# Altium PCB LB-word-PCB.PcbDoc (part 4 of 4)
Units mm, origin at the board's own origin, x right, y up, seen from the top; angles counter-clockwise.
Board outline 400 x 70 mm, 4 copper layers (Top Layer, Signal Layer 1, Signal Layer 2, Bottom Layer), stack 0.778 mm thick; 411 components, 279 nets, 1593 pads, 857 vias.
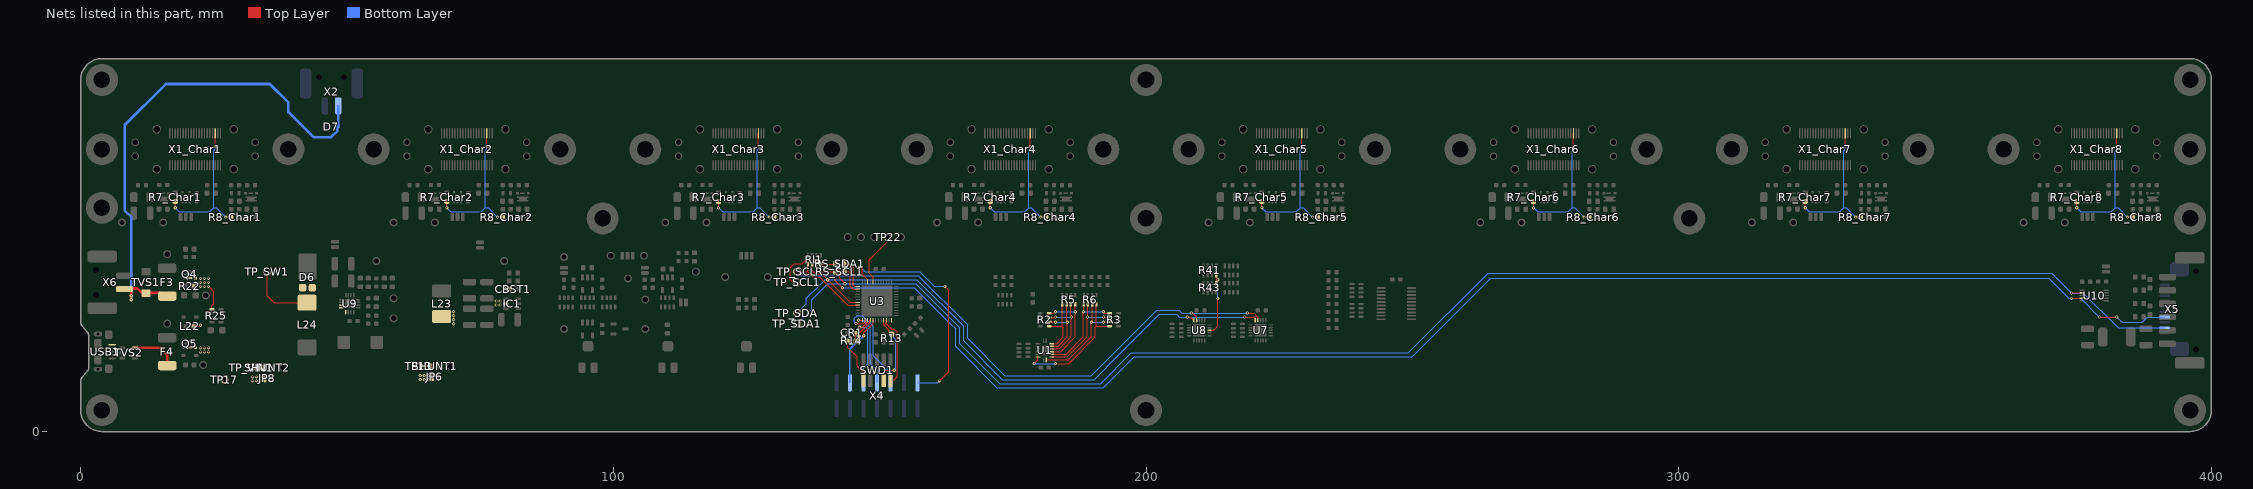
[diagram p6: the nets of this part, all layers, seen from the top]

## Via types
v1: diameter 0.6, hole 0.3, Top Layer to Bottom Layer, 849 vias
v2: diameter 1.6, hole 1.1, Top Layer to Bottom Layer, 8 vias

## Nets (pads, with @x,y where several pads share a name; then routed paths per layer and width w, separated by ;. In a path a pad name is that pad's centre, name@x,y a point inside that pad or via, vN(x,y) a via of type N, cw(c..) or ccw(c..) an arc to the next point about the centre after c; other vN are vias at no path point) (continued)
NetR41_4: R41.4 R43.5 U8.13 | length 12.6
  Top Layer w0.15: U8.13@211.9,19 212.75,19 213.5,19.75 v1(213.5,25) ; R43.5@213.2,27.75 R43.5@213.2,27.85 213.2,28.2 v1(213.5,28.5) 213.2,28.8 R41.4@213.2,29.4
  Bottom Layer w0.15: v1(213.5,25) v1(213.5,28.5)
NetRS_SCL1_1: RS_SCL1.1 U3.26 | length 5.4
  Top Layer w0.15: RS_SCL1.1@143.3,30 144.25,30 144.5,29.75 144.5,27.25 145,26.75 U3.26@145.925,26.75
NetRS_SDA1_1: RS_SDA1.1 U3.25 | length 6.3
  Top Layer w0.15: RS_SDA1.1@143.3,31.5 144.25,31.5 145,30.75 145,27.5 145.25,27.25 U3.25@145.925,27.25
PA13: U3.22 X4.7 | length 44.2
  Top Layer w0.15: v1(146.25,31) 146.3,31 146.75,30.55 146.75,29.5 147.75,28.5 U3.22@147.75,28.075 ; v1(161.25,9.5) 163,11.25 163,26.5 v1(162.25,27.25)
  Bottom Layer w0.15: v1(146.25,31) 147.25,30 157.5,30 160.25,27.25 v1(162.25,27.25) ; X4.7@157.12,9.15 160.9,9.15 v1(161.25,9.5)
PA27: U3.39 X4.3 | length 14.3
  Top Layer w0.15: v1(146.25,19.6) 146.71,19.6 147.75,20.64 U3.39@147.75,20.925
  Bottom Layer w0.15: v1(146.25,19.6) 147.4,19.6 147.75,19.25 147.75,12.75 147,12 147,9.19 X4.3@146.96,9.15
PA28: U3.41 X4.2 | length 13.6
  Top Layer w0.15: v1(147,18) 147,18.501 148.75,20.251 U3.41@148.75,20.925
  Bottom Layer w0.25: X4.2@144.42,9.15 144.42,15.42 v1(147,18)
PB03: U3.48
PB22: U3.37 X4.4 | length 14.4
  Top Layer w0.15: v1(146.05,20.9) 146.725,20.9 U3.37@146.75,20.925
  Bottom Layer w0.15: v1(146.05,20.9) 146.85,20.9 148.25,19.5 148.25,12.75 149.5,11.5 X4.4@149.5,9.15
PB23: U3.38 X4.5 | length 19.9
  Top Layer w0.15: v1(145.55,20.275) 146.885,20.275 147.25,20.64 U3.38@147.25,20.925
  Bottom Layer w0.15: v1(145.55,20.275) 145.25,20.575 145.25,21.25 145.75,21.75 146.75,21.75 148.75,19.75 148.75,14.25 152.04,10.96 152.04,9.45 151.916,9.45 151.74,9.274 X4.5@151.74,9.15
Power_Enable_Char1: R7_Char1.1 R8_Char1.1 X1_Char1.38 | length 26.9
  Top Layer w0.15: v1(17.75,42) R7_Char1.1@17.75,43 ; v1(25.25,53.5) X1_Char1.38@25.25,56 ; v1(27.25,40.25) R8_Char1.1@28.2,40.25
  Bottom Layer w0.15: v1(17.75,42) 18.5,41.25 24.25,41.25 25,42 ; v1(25.25,53.5) 25.25,53 25,52.75 25,42 ; v1(27.25,40.25) 25.5,42 25,42
Power_Enable_Char2: R7_Char2.1 R8_Char2.1 X1_Char2.38 | length 26.9
  Top Layer w0.15: v1(68.75,42) R7_Char2.1@68.75,43 ; v1(76.25,53.5) X1_Char2.38@76.25,56 ; v1(78.25,40.25) R8_Char2.1@79.2,40.25
  Bottom Layer w0.15: v1(68.75,42) 69.5,41.25 75.25,41.25 76,42 ; v1(76.25,53.5) 76.25,53 76,52.75 76,42 ; v1(78.25,40.25) 76.5,42 76,42
Power_Enable_Char3: R7_Char3.1 R8_Char3.1 X1_Char3.38 | length 26.9
  Top Layer w0.15: v1(119.75,42) R7_Char3.1@119.75,43 ; v1(127.25,53.5) X1_Char3.38@127.25,56 ; v1(129.25,40.25) R8_Char3.1@130.2,40.25
  Bottom Layer w0.15: v1(119.75,42) 120.5,41.25 126.25,41.25 127,42 ; v1(127.25,53.5) 127.25,53 127,52.75 127,42 ; v1(129.25,40.25) 127.5,42 127,42
Power_Enable_Char4: R7_Char4.1 R8_Char4.1 X1_Char4.38 | length 26.9
  Top Layer w0.15: v1(170.75,42) R7_Char4.1@170.75,43 ; v1(178.25,53.5) X1_Char4.38@178.25,56 ; v1(180.25,40.25) R8_Char4.1@181.2,40.25
  Bottom Layer w0.15: v1(170.75,42) 171.5,41.25 177.25,41.25 178,42 ; v1(178.25,53.5) 178.25,53 178,52.75 178,42 ; v1(180.25,40.25) 178.5,42 178,42
Power_Enable_Char5: R7_Char5.1 R8_Char5.1 X1_Char5.38 | length 26.9
  Top Layer w0.15: v1(221.75,42) R7_Char5.1@221.75,43 ; v1(229.25,53.5) X1_Char5.38@229.25,56 ; v1(231.25,40.25) R8_Char5.1@232.2,40.25
  Bottom Layer w0.15: v1(221.75,42) 222.5,41.25 228.25,41.25 229,42 ; v1(229.25,53.5) 229.25,53 229,52.75 229,42 ; v1(231.25,40.25) 229.5,42 229,42
Power_Enable_Char6: R7_Char6.1 R8_Char6.1 X1_Char6.38 | length 26.9
  Top Layer w0.15: v1(272.75,42) R7_Char6.1@272.75,43 ; v1(280.25,53.5) X1_Char6.38@280.25,56 ; v1(282.25,40.25) R8_Char6.1@283.2,40.25
  Bottom Layer w0.15: v1(272.75,42) 273.5,41.25 279.25,41.25 280,42 ; v1(280.25,53.5) 280.25,53 280,52.75 280,42 ; v1(282.25,40.25) 280.5,42 280,42
Power_Enable_Char7: R7_Char7.1 R8_Char7.1 X1_Char7.38 | length 26.9
  Top Layer w0.15: v1(323.75,42) R7_Char7.1@323.75,43 ; v1(331.25,53.5) X1_Char7.38@331.25,56 ; v1(333.25,40.25) R8_Char7.1@334.2,40.25
  Bottom Layer w0.15: v1(323.75,42) 324.5,41.25 330.25,41.25 331,42 ; v1(331.25,53.5) 331.25,53 331,52.75 331,42 ; v1(333.25,40.25) 331.5,42 331,42
Power_Enable_Char8: R7_Char8.1 R8_Char8.1 X1_Char8.38 | length 26.9
  Top Layer w0.15: v1(374.75,42) R7_Char8.1@374.75,43 ; v1(382.25,53.5) X1_Char8.38@382.25,56 ; v1(384.25,40.25) R8_Char8.1@385.2,40.25
  Bottom Layer w0.15: v1(374.75,42) 375.5,41.25 381.25,41.25 382,42 ; v1(382.25,53.5) 382.25,53 382,52.75 382,42 ; v1(384.25,40.25) 382.5,42 382,42
RESET: R14.1 SWD1.10 | length 8.7
  Top Layer w0.15: R14.1@144,17 144,15.75 145.75,14 145.75,12.25 146.96,11.04 SWD1.10@146.96,9.55
SCK: TP22.1 U3.20 | length 10.4
  Top Layer w0.15: U3.20@148.75,28.075 148.75,29 148,29.75 148,32.25 151.5,35.75 151.5,36 TP22.1@151,36.5
SCL: RI1.1 TP_SCL.1 U3.32 U7.19 U8.19 | length 119.9
  Top Layer w0.15: TP_SCL.1@134.5,30 136.5,30 ; RI1.1@136.5,31.5 136.5,30 ; U3.32@145.925,23.75 144,23.75 138.75,29 137.5,29 136.5,30 ; v1(208.5,22.25) 208.75,22.25 209.5,21.5 U8.19@209.5,20.9 ; v1(219,22.25) 220.25,22.25 220.375,22.125 220.624,21.875 ; 220.625,21.875 221,21.5 U7.19@221,20.9 U7.19@221,20.65
  Bottom Layer w0.15: TP_SCL.1@134.5,30 135.25,29.25 157.25,29.25 166.5,20 166.5,17.5 173.5,10.5 189.75,10.5 202,22.75 206.25,22.75 206.75,22.25 v1(208.5,22.25) v1(219,22.25)
SCL1: RI1.3 RS_SCL1.2 TP_SCL1.1 U10.4 X5.7 | length 290.4
  Top Layer w0.15: TP_SCL1.1@134.5,28 133.75,28 133.25,28.5 133.25,30.75 134,31.5 135.5,31.5 136.25,32.25 137.75,32.25 138.15,31.85 RI1.3@138.15,31.4 138.15,30.35 138.5,30 RS_SCL1.2@141.7,30 141.7,28.3 v1(143,27) ; v1(373.75,25) 375.723,25 U10.4@375.75,25.027 ; v1(379,21.5) v1(382.25,21.5)
  Bottom Layer w0.15: v1(143,27) 156.5,27 163.25,20.25 164.25,19.25 164.25,16 172,8.25 192,8.25 197.75,14 250,14 264.75,28.75 369.5,28.75 373.25,25 v1(373.75,25) 375.5,25 v1(379,21.5) ; v1(382.25,21.5) 383.25,20.5 387,20.5 388,21.5 X5.7@391.25,21.5
SDA: RI1.2 TP_SDA.1 U3.31 U7.20 U8.20 | length 118.3
  Top Layer w0.15: RI1.2@137.35,31.4 137.35,30.15 138,29.5 139.25,29.5 144.5,24.25 U3.31@145.925,24.25 ; v1(207.75,21.5) 208.4,21.5 U8.20@209,20.9 ; v1(218.5,21.5) 220.25,21.5 220.5,21.25 U7.20@220.5,20.9 U7.20@220.5,20.65
  Bottom Layer w0.15: TP_SDA.1@134.5,22.25 136.25,24 136.25,25 138.75,27.5 139.75,28.5 v1(140.25,28.5) 157,28.5 165.75,19.75 165.75,17 173,9.75 190.25,9.75 195,14.5 202.5,22 205.75,22 206.25,21.5 v1(207.75,21.5) v1(218.5,21.5)
SDA1: RI1.4 RS_SDA1.2 TP_SDA1.1 U10.2 X5.9 | length 292.7
  Top Layer w0.15: RI1.4@138.95,31.4 141.6,31.4 RS_SDA1.2@141.7,31.5 142,31.5 142.5,31 142.5,28.75 v1(143.5,27.75) ; v1(373.75,26) 373.777,26.027 U10.2@375.75,26.027
  Bottom Layer w0.15: TP_SDA1.1@134.5,20.25 137.25,23 137.25,24.75 140.25,27.75 v1(143.5,27.75) 156.75,27.75 165,19.5 165,16.5 172.5,9 191.5,9 197.25,14.75 249.25,14.75 264.25,29.75 370,29.75 v1(373.75,26) 376,26 382.5,19.5 X5.9@391.25,19.5
SW: D6.A L24.2 TP_SW1.1 U9.1 U9.15 U9.16 | length 12.5
  Top Layer w0.2: TP_SW1.1@35,30 35,25.5 36.3,24.2 L24.2@42.5,24.2
SW1: CBST1.2 IC1.2 L23.1
  other v1: 70,20.25 70,21 70,21.75 70,22.5 78,23.75 78.75,23.75 78,24.5 78.75,24.5 79.75,26.5 79.75,27.25
SWCLK: R13.1 SWD1.4 U3.45 | length 13.9
  Top Layer w0.15: U3.45@150.75,20.925 150.75,20 151.75,19 151.75,18.75 R13.1@152.25,18.25 ; SWD1.4@150.77,9.55 150.77,11.02 151.25,11.5 v1(152.75,11.5)
  Bottom Layer w0.15: v1(152.25,18) 153,17.25 153,11.75 v1(152.75,11.5)
SWDIO: SWD1.2 U3.46 | length 13
  Top Layer w0.15: U3.46@151.25,20.925 151.25,20.25 152.275,19.225 152.775,19.225 153.275,18.725 153.275,10.275 152.75,9.75 SWD1.2@152.25,9.75
TARGET_RESET: CR1.1 R14.2 U3.40 | length 5.5
  Top Layer w0.15: R14.2@145.5,17 CR1.1@145.5,18.5 146.25,18.5 148.25,20.5 U3.40@148.25,20.925
V_Raw: D7.K F3.1 TVS1.1 X2.2 X6.2 | length 97.3
  Top Layer w0.5: X6.2@7.75,26.85 X6.2@9.5,26.85 ; v1(9.5,24.75) v1(9.5,25.5) X6.2@9.5,26.85 ; F3.1@15.5,25.435 14.9,26.035 11.5,26.035 10.685,26.85 X6.2@9.5,26.85
  Bottom Layer w0.5: v1(9.5,24.75) v1(9.5,25.5) 9.5,40.25 8.25,41.5 8.25,57.5 16,65.25 35.5,65.25 39,61.75 39,60 43.75,55.25 47,55.25 48.2,56.45 D7.K@48.2,57.25 48.35,57.4 X2.2@48.35,61.15
VIN: JP6.1 JP8.1 L22.2 Q4.S Q5.S R22.2 R25.1 SHUNT1.1 SHUNT2.1 TP13.1 TP17.1 TP_VIN1.1 | length 10.6
  Top Layer w0.2: L22.2@21.25,19.75 22.3,19.75 v1(22.5,19.95) ; v1(24,27.25) 25,26.25 25,24 24.65,23.65 R25.1@24.65,22.95 ; TP_VIN1.1@32,12 SHUNT2.1@34.2,12 ; TP13.1@63.5,12.25 SHUNT1.1@65.7,12.25
  other v1: 32.25,9.5 33,9.5 33.75,9.5 63.75,9.75 64.5,9.75 65.25,9.75 32.25,10.25 33,10.25 33.75,10.25 63.75,10.5 64.5,10.5 65.25,10.5 22.5,14.95 23.25,14.95 24,14.95 22.5,15.7 23.25,15.7 24,15.7 22.5,27.25 23.25,27.25 22.5,28 23.25,28 24,28 22.5,28.75 23.25,28.75 24,28.75
VUSB: F4.1 TVS2.5 USB1.1 | length 8.6
  Top Layer w0.5: TVS2.5@10.2,15.7 15,15.7 16.25,14.45 F4.1@16.25,12.385
Y0: R2.1 R5.1 U1.15 | length 11.4
  Top Layer w0.15: R2.1@181.85,19.8 184.3,19.8 ; U1.15@182.3,16.5 183.25,16.5 184.5,17.75 184.5,19.6 184.3,19.8 ; R5.1@184.3,23.9 184.3,19.8
Y1: R2.2 R5.2 U1.14 | length 13.3
  Top Layer w0.15: R2.2@181.85,20.6 182.9,20.6 v1(183,20.5) ; U1.14@182.3,16 183.5,16 185.25,17.75 v1(185.25,20.5) 185.1,20.65 R5.2@185.1,23.9
  Bottom Layer w0.15: v1(183,20.5) v1(185.25,20.5)
Y2: R2.3 R5.3 U1.13 | length 15
  Top Layer w0.15: R2.3@181.85,21.4 182.9,21.4 v1(183,21.5) ; U1.13@182.3,15.5 183.75,15.5 186,17.75 v1(186,21.5) 186,21.75 185.9,21.85 R5.3@185.9,23.9
  Bottom Layer w0.15: v1(183,21.5) v1(186,21.5)
Y3: R2.4 R5.4 U1.12 | length 16.8
  Top Layer w0.15: R2.4@181.85,22.2 182.7,22.2 v1(183,22.5) ; U1.12@182.3,15 184,15 186.75,17.75 v1(186.75,22.5) ; v1@186.7,22.5 R5.4@186.7,23.9
  Bottom Layer w0.15: v1(183,22.5) v1(186.75,22.5)
Y4: R3.1 R6.1 U1.11 | length 18.5
  Top Layer w0.15: U1.11@182.3,14.5 185,14.5 188.25,17.75 v1(188.25,22.5) 188.3,22.55 R6.1@188.3,23.9 ; v1(192,22.5) 192.3,22.2 R3.1@193.15,22.2
  Bottom Layer w0.15: v1(188.25,22.5) v1(192,22.5)
Y5: R3.2 R6.2 U1.10 | length 18.6
  Top Layer w0.15: U1.10@182.3,14 185.25,14 189,17.75 v1(189,21.5) 189.1,21.6 R6.2@189.1,23.9 ; v1(192,21.5) 192.1,21.4 R3.2@193.15,21.4
  Bottom Layer w0.15: v1(189,21.5) v1(192,21.5)
Y6: R3.3 R6.3 U1.9 | length 19.9
  Top Layer w0.15: U1.9@181.25,13.45 185.45,13.45 189.75,17.75 v1(189.75,20.5) 189.9,20.65 R6.3@189.9,23.9 ; v1(192,20.5) 192.1,20.6 R3.3@193.15,20.6
  Bottom Layer w0.15: v1(189.75,20.5) v1(192,20.5)
Y7: R3.4 R6.4 U1.7 | length 23.8
  Top Layer w0.15: v1(179,12.75) 179.7,13.45 U1.7@179.7,14 ; v1(183,12.75) 185.5,12.75 190.5,17.75 190.5,19.6 190.7,19.8 ; R6.4@190.7,23.9 190.7,19.8 ; R3.4@193.15,19.8 190.7,19.8
  Bottom Layer w0.15: v1(179,12.75) v1(183,12.75)
pads on no net: Hole3.1 Hole4.1 Hole5.1 Hole6.1 Hole7.1 Hole8.1 Hole9.1 Hole10.1 Hole11.1 Hole12.1 Hole13.1 IC1.5 R15.4 R15.5 R18.4 R18.5 R21.4 R21.5 SWD1.6 SWD1.7 SWD1.8 TVS2.4 U3.23 U3.24 U3.27 U3.28 U3.29 U7.7 U8.7 U10.3 USB1.4 X1_Char1.21 X1_Char1.23 X1_Char1.25 X1_Char1.26 X1_Char1.27 X1_Char1.28 X1_Char1.29 X1_Char1.30 X1_Char1.31 X1_Char1.32 X1_Char1.33 X1_Char1.34 X1_Char1.35 X1_Char1.36 X1_Char1.37 X1_Char1.39 X1_Char2.21 X1_Char2.23 X1_Char2.25 X1_Char2.26 X1_Char2.27 X1_Char2.28 X1_Char2.29 X1_Char2.30 X1_Char2.31 X1_Char2.32 X1_Char2.33 X1_Char2.34 X1_Char2.35 X1_Char2.36 X1_Char2.37 X1_Char2.39 X1_Char3.21 X1_Char3.23 X1_Char3.25 X1_Char3.26 X1_Char3.27 X1_Char3.28 X1_Char3.29 X1_Char3.30 X1_Char3.31 X1_Char3.32 X1_Char3.33 X1_Char3.34 X1_Char3.35 X1_Char3.36 X1_Char3.37 X1_Char3.39 X1_Char4.21 X1_Char4.23 X1_Char4.25 X1_Char4.26 X1_Char4.27 X1_Char4.28 X1_Char4.29 X1_Char4.30 X1_Char4.31 X1_Char4.32 X1_Char4.33 X1_Char4.34 X1_Char4.35 X1_Char4.36 X1_Char4.37 X1_Char4.39 X1_Char5.21 X1_Char5.23 X1_Char5.25 X1_Char5.26 X1_Char5.27 X1_Char5.28 X1_Char5.29 X1_Char5.30 X1_Char5.31 X1_Char5.32 X1_Char5.33 X1_Char5.34 X1_Char5.35 X1_Char5.36 X1_Char5.37 X1_Char5.39 X1_Char6.21 X1_Char6.23 X1_Char6.25 X1_Char6.26 X1_Char6.27 X1_Char6.28 X1_Char6.29 X1_Char6.30 X1_Char6.31 X1_Char6.32 X1_Char6.33 X1_Char6.34 X1_Char6.35 X1_Char6.36 X1_Char6.37 X1_Char6.39 X1_Char7.21 X1_Char7.23 X1_Char7.25 X1_Char7.26 X1_Char7.27 X1_Char7.28 X1_Char7.29 X1_Char7.30 X1_Char7.31 X1_Char7.32 X1_Char7.33 X1_Char7.34 X1_Char7.35 X1_Char7.36 X1_Char7.37 X1_Char7.39 X1_Char8.21 X1_Char8.23 X1_Char8.25 X1_Char8.26 X1_Char8.27 X1_Char8.28 X1_Char8.29 X1_Char8.30 X1_Char8.31 X1_Char8.32 X1_Char8.33 X1_Char8.34 X1_Char8.35 X1_Char8.36 X1_Char8.37 X1_Char8.39 X2.163 X6.163 X7.163

## Polygon pours and split planes (outlines as drawn)
GND on Signal Layer 1 "Signal Layer 1-GND" (solid, pour order 185): 0,-1 0,70 400,70 400,-1
no net on Signal Layer 2 "Signal Layer 2-No Net" (solid, pour order 375): 28.75,30
+3V3 on Signal Layer 2 "Signal Layer 2-+3V3 2" (solid, pour order 301): 370,31.25 370,8.75 397.5,8.75 397.5,31.25
VIN on Signal Layer 2 "Signal Layer 2-VIN 1" (solid, pour order 299): 26.5,0 60,0 66.25,6.25 66.25,10.75 26.5,10.75
Comp_VRef on Signal Layer 2 "Signal Layer 2-Comp_VRef" (solid, pour order 279): 0.293,37.5 400,37.5 400,38.5 0.293,38.5
VIN on Signal Layer 2 "Signal Layer 2-VIN" (solid, pour order 269): 21.292,30.25 21.292,0 27.8,0 27.8,30.25
+3V3 on Signal Layer 2 "Signal Layer 2-+3V3 1" (solid, pour order 251): 118.75,32 118.75,0 400,0 400,32
SW1 on Signal Layer 2 "Signal Layer 2-SW1" (solid, pour order 228): 79.25,27.25 79.5,27.5 80,27.5 80.5,27 80.5,23.5 76.75,19.75 69.5,19.75 69.5,23.25 76.75,23.25 78.25,24.75 79.25,24.75
+3VOSC on Signal Layer 2 "Signal Layer 2-+3VOSC" (solid, pour order 212): 88,30.5 88,0 116.25,0 116.25,30.5
+3V3 on Signal Layer 2 "Signal Layer 2-+3V3" (solid, pour order 214): -3.25,37 -3.25,31.25 400,31.25 400,37
+15V on Signal Layer 2 "Signal Layer 2-+15V" (solid, pour order 186): 0,70 400,70 400,39 0,39
no net on Top Layer "Top Layer-No Net 12" (solid, pour order 371): 258.75,30 258.75,1.25 368,1.25 368,23 361,30
GND on Top Layer "Top Layer-No Net 11" (solid, pour order 369): 392.5,34 400,34 400,11.75 392.5,11.75 392.5,15.25 397,15.25 397,30.25 392.5,30.25
DSCL_N on Top Layer "Top Layer-DSCL_N" (solid, pour order 361): 389.75,22.75 388.5,21.5 387.25,22.75
DSCL_P on Top Layer "Top Layer-DSCL_P" (solid, pour order 359): 387.25,22.75 388.5,24 389.75,22.75
DSDA_N on Top Layer "Top Layer-DSDA_N" (solid, pour order 357): 387.25,27.75 388.5,29 389.75,27.75
DSDA_P on Top Layer "Top Layer-DSDA_P" (solid, pour order 355): 389.75,27.75 388.5,26.5 387.25,27.75
no net on Top Layer "Top Layer-No Net 10" (solid, pour order 353): 388.5,28.55
+15V on Top Layer "Top Layer-+15V 1" (solid, pour order 351): 358.75,41.25 358.75,34.5 374.25,19 375.5,19 375.5,21.25 361.25,35.5 361.25,41.25
+15V on Top Layer "Top Layer-+15V 2" (solid, pour order 349): 380.5,19.25 380.5,16.5 380.25,16.25 379.25,16.25 377,18.5 375.75,18.5 375.25,19 375.25,21.25 377,21.25 378.25,20 379.75,20
GND on Top Layer "Top Layer-GND 16" (solid, pour order 347): 375.75,17 375.25,16.5 375.25,14 378.25,14 378.25,16.5 377.75,17
GND on Top Layer "Top Layer-GND 17" (solid, pour order 345): 393,17 386.5,17 386.25,16.75 386.25,14 389.25,14 389.25,14.75 390.5,16 393,16
+15VOUT on Top Layer "Top Layer-NetC37_1" (solid, pour order 343): 393,18.5 389.25,18.5 387.25,18.5 385.75,17 384,17 384,19.25 384.75,20 390.25,20 390.75,19.5 393,19.5
+15V on Top Layer "Top Layer-+15V 3" (solid, pour order 339): 46.5,41.75 46.5,36.5 49,36.5 49,41.75
GND on Top Layer "Top Layer-GND 19" (solid, pour order 337): 2,19.45 2,13.55 4.75,13.55 4.75,17.45 9,17.45 9,19.45
GND on Top Layer "Top Layer-GND 20" (solid, pour order 335): 112.75,34 112.75,31.5 111,31.5 111,34
+3V3 on Top Layer "Top Layer-+3V3 5" (solid, pour order 333): 113.5,33.25 115.5,33.25 116,33.75 116,35 114.5,35 113.5,34
no net on Top Layer "Top Layer-No Net 7" (solid, pour order 331): 113.5,34
+3V3_OUT_Char8 on Top Layer "Top Layer-+3V3_OUT_Char1" (solid, pour order 329): 376.25,45.25 376.25,45 376.75,44.5 377.75,44.5 378.5,45.25 379.5,45.25 379.5,44 378,44 377.75,43.75 376.5,43.75 375.75,44.5 375.75,45.25
GND on Top Layer "Top Layer-GND 15" (solid, pour order 327): 379.5,43.75 378.25,43.75 377.75,43.25 377.25,43.25 377.25,42.5 379.5,42.5
+3V3_OUT_Char7 on Top Layer "Top Layer-+3V3_OUT_Char1" (solid, pour order 325): 325.25,45.25 325.25,45 325.75,44.5 326.75,44.5 327.5,45.25 328.5,45.25 328.5,44 327,44 326.75,43.75 325.5,43.75 324.75,44.5 324.75,45.25
GND on Top Layer "Top Layer-GND 15" (solid, pour order 323): 328.5,43.75 327.25,43.75 326.75,43.25 326.25,43.25 326.25,42.5 328.5,42.5
+3V3_OUT_Char6 on Top Layer "Top Layer-+3V3_OUT_Char1" (solid, pour order 321): 274.25,45.25 274.25,45 274.75,44.5 275.75,44.5 276.5,45.25 277.5,45.25 277.5,44 276,44 275.75,43.75 274.5,43.75 273.75,44.5 273.75,45.25
GND on Top Layer "Top Layer-GND 15" (solid, pour order 319): 277.5,43.75 276.25,43.75 275.75,43.25 275.25,43.25 275.25,42.5 277.5,42.5
+3V3_OUT_Char5 on Top Layer "Top Layer-+3V3_OUT_Char1" (solid, pour order 317): 223.25,45.25 223.25,45 223.75,44.5 224.75,44.5 225.5,45.25 226.5,45.25 226.5,44 225,44 224.75,43.75 223.5,43.75 222.75,44.5 222.75,45.25
GND on Top Layer "Top Layer-GND 15" (solid, pour order 315): 226.5,43.75 225.25,43.75 224.75,43.25 224.25,43.25 224.25,42.5 226.5,42.5
+3V3_OUT_Char4 on Top Layer "Top Layer-+3V3_OUT_Char1" (solid, pour order 313): 172.25,45.25 172.25,45 172.75,44.5 173.75,44.5 174.5,45.25 175.5,45.25 175.5,44 174,44 173.75,43.75 172.5,43.75 171.75,44.5 171.75,45.25
GND on Top Layer "Top Layer-GND 15" (solid, pour order 311): 175.5,43.75 174.25,43.75 173.75,43.25 173.25,43.25 173.25,42.5 175.5,42.5
+3V3_OUT_Char3 on Top Layer "Top Layer-+3V3_OUT_Char1" (solid, pour order 309): 121.25,45.25 121.25,45 121.75,44.5 122.75,44.5 123.5,45.25 124.5,45.25 124.5,44 123,44 122.75,43.75 121.5,43.75 120.75,44.5 120.75,45.25
GND on Top Layer "Top Layer-GND 15" (solid, pour order 307): 124.5,43.75 123.25,43.75 122.75,43.25 122.25,43.25 122.25,42.5 124.5,42.5
+3V3_OUT_Char2 on Top Layer "Top Layer-+3V3_OUT_Char1" (solid, pour order 305): 70.25,45.25 70.25,45 70.75,44.5 71.75,44.5 72.5,45.25 73.5,45.25 73.5,44 72,44 71.75,43.75 70.5,43.75 69.75,44.5 69.75,45.25
GND on Top Layer "Top Layer-GND 15" (solid, pour order 303): 73.5,43.75 72.25,43.75 71.75,43.25 71.25,43.25 71.25,42.5 73.5,42.5
NetCI1_1 on Top Layer "Top Layer-NetCI1_1 1" (solid, pour order 297): 66.75,9.25 74.75,9.25 80.3,14.8 80.3,18.75 71.25,18.75 71.25,12 70.25,11 68,11 67.75,11.25 67.75,12.5 66.75,12.5
no net on Top Layer "Top Layer-No Net 8" (solid, pour order 291): 65.25,12.5
VIN on Top Layer "Top Layer-VIN 2" (solid, pour order 289): 65.25,12.5 66,12.5 66,11.5 66.25,11.25 66.25,9.25 63.25,9.25 63.25,11 65,11 65.25,11.25
NetC27_1 on Top Layer "Top Layer-NetC27_1" (solid, pour order 287): 51.5,13 51.5,9.75 50.25,8.5 35.25,8.5 35.25,11 35.5,11.25 35.5,12.25 36.25,12.25 36.25,11 36.5,10.75 39.75,10.75 39.75,12.5 48.5,12.5 49.25,12.5 49.25,13
VIN on Top Layer "Top Layer-VIN 3" (solid, pour order 285): 33.75,12.25 34.5,12.25 34.5,11.25 34.75,11 34.75,8.939 31.75,8.939 31.75,10.75 33.5,10.75 33.75,11
no net on Top Layer "Top Layer-No Net 9" (solid, pour order 283): 33.75,12.25
+3V3 on Top Layer "Top Layer-+3V3 6" (solid, pour order 281): 73,36.75 73,35 77,35 77,36.75
+15V on Top Layer "Top Layer-+15V" (solid, pour order 194): 318,42.518 320.75,42.518 321.75,41.518 321.75,39.518 320.866,38.634 319.982,39.518 318,39.518 317.75,39.768 317.75,42.268
GND on Top Layer "Top Layer-GND 15" (solid, pour order 277): 22.5,43.75 21.25,43.75 20.75,43.25 20.25,43.25 20.25,42.5 22.5,42.5
+3V3_OUT_Char1 on Top Layer "Top Layer-+3V3_OUT_Char1" (solid, pour order 275): 19.25,45.25 19.25,45 19.75,44.5 20.75,44.5 21.5,45.25 22.5,45.25 22.5,44 21,44 20.75,43.75 19.5,43.75 18.75,44.5 18.75,45.25
+3V3 on Top Layer "Top Layer-+3V3 3" (solid, pour order 271): 181,28.75 181,30 194,30 194,28.75
GND on Top Layer "Top Layer-GND 13" (solid, pour order 267): 10.75,30.5 10.75,27.25 13.75,27.25 13.75,30.5
GND on Top Layer "Top Layer-GND 14" (solid, pour order 265): 2,13.75 7,13.75 7.25,14 9,14 9,10.2 2,10.2
VUSB on Top Layer "Top Layer-VUSB" (solid, pour order 263): 5.25,17 5.25,16.25 9,16.25 9.75,15.5 10.25,15.5 10.25,17
NetC35_1 on Top Layer "Top Layer-NetC35_1" (solid, pour order 259): 379.5,29.5 379.5,26.75 379.723,26.527 380.75,26.527 380.75,29.5
+3V3 on Top Layer "Top Layer-+3V3 4" (solid, pour order 256): 375.25,29.527 375.25,26.377 376.2,26.377 376.5,26.677 376.5,29.527
GND on Top Layer "Top Layer-GND 11" (solid, pour order 255): 376.75,29.527 379.25,29.527 379.25,25.277 378,24.027 375.25,24.027 375.25,24.777 376.5,24.777 376.75,25.027
NetC28_1 on Top Layer "Top Layer-NetC6_1" (solid, pour order 254): 41,28.5 39.75,29.75 39.75,32.5 41.25,34 45.75,34 46.5,33.25 49,33.25 49,27.25 48.25,26.5 47,26.5 45,28.5
no net on Top Layer "Top Layer-No Net 5" (solid, pour order 253): 247.1,28.975
GND on Top Layer "Top Layer-GND 12" (solid, pour order 252): 234.85,30.725 234.85,18.475 232.35,18.475 232.35,30.725
+15V on Top Layer "Top Layer-+15V" (solid, pour order 195): 369,42.5 371.75,42.5 372.75,41.5 372.75,39.5 371.875,38.625 371,39.5 369,39.5 368.75,39.75 368.75,42.25
GND on Top Layer "Top Layer-GND" (solid, pour order 204): 368.25,42.25 368.25,39.75 368,39.5 366.25,39.5 366,39.75 366,42.25 366.25,42.5 368,42.5
GND on Top Layer "Top Layer-GND 18" (solid, pour order 213): 372.75,51 383.75,51 383.75,47.25 372.75,47.25
GND on Top Layer "Top Layer-GND" (solid, pour order 203): 317.25,42.25 317.25,39.75 317,39.5 315.25,39.5 315,39.75 315,42.25 315.25,42.5 317,42.5
GND on Top Layer "Top Layer-GND 18" (solid, pour order 211): 321.75,50.75 332.75,50.75 332.75,47.25 321.75,47.25
+15V on Top Layer "Top Layer-+15V" (solid, pour order 193): 267,42.518 269.75,42.518 270.75,41.518 270.75,39.518 269.866,38.634 268.982,39.518 267,39.518 266.75,39.768 266.75,42.268
GND on Top Layer "Top Layer-GND" (solid, pour order 202): 266.25,42.25 266.25,39.75 266,39.5 264.25,39.5 264,39.75 264,42.25 264.25,42.5 266,42.5
GND on Top Layer "Top Layer-GND 18" (solid, pour order 210): 270.75,50.75 281.75,50.75 281.75,47.25 270.75,47.25
+15V on Top Layer "Top Layer-+15V" (solid, pour order 192): 216,42.5 218.75,42.5 219.75,41.5 219.75,39.5 218.875,38.625 218,39.5 216,39.5 215.75,39.75 215.75,42.25
GND on Top Layer "Top Layer-GND" (solid, pour order 201): 215.25,42.25 215.25,39.75 215,39.5 213.25,39.5 213,39.75 213,42.25 213.25,42.5 215,42.5
GND on Top Layer "Top Layer-GND 18" (solid, pour order 209): 219.75,50.75 230.75,50.75 230.75,47.5 219.75,47.5
+15V on Top Layer "Top Layer-+15V" (solid, pour order 191): 165,42.518 167.75,42.518 168.75,41.518 168.75,39.518 167.866,38.634 166.982,39.518 165,39.518 164.75,39.768 164.75,42.268
GND on Top Layer "Top Layer-GND" (solid, pour order 200): 164.25,42.25 164.25,39.75 164,39.5 162.25,39.5 162,39.75 162,42.25 162.25,42.5 164,42.5
GND on Top Layer "Top Layer-GND 18" (solid, pour order 208): 168.75,50.75 179.75,50.75 179.75,47.5 168.75,47.5
+15V on Top Layer "Top Layer-+15V" (solid, pour order 190): 114,42.518 116.75,42.518 117.75,41.518 117.75,39.518 116.866,38.634 115.982,39.518 114,39.518 113.75,39.768 113.75,42.268
GND on Top Layer "Top Layer-GND" (solid, pour order 199): 113.25,42.25 113.25,39.75 113,39.5 111.25,39.5 111,39.75 111,42.25 111.25,42.5 113,42.5
GND on Top Layer "Top Layer-GND 18" (solid, pour order 207): 117.75,50.75 128.75,50.75 128.75,47.75 117.75,47.75
+15V on Top Layer "Top Layer-+15V" (solid, pour order 189): 63,42.5 65.75,42.5 66.75,41.5 66.75,39.5 65.875,38.625 65,39.5 63,39.5 62.75,39.75 62.75,42.25
GND on Top Layer "Top Layer-GND" (solid, pour order 198): 62.25,42.25 62.25,39.75 62,39.5 60.25,39.5 60,39.75 60,42.25 60.25,42.5 62,42.5
GND on Top Layer "Top Layer-GND 18" (solid, pour order 206): 66.75,51 77.75,51 77.75,47.5 66.75,47.5
GND on Top Layer "Top Layer-No Net 6" (solid, pour order 250): 151.25,16.5 151,16.25 148.2,16.25 147.5,16.95 147.5,18.75 149.15,20.4 149.15,21.7 149.35,21.7 149.35,19.7 148.65,19 148.65,17.9 148.85,17.7 151.05,17.7 151.25,17.5
GND on Top Layer "Top Layer-GND 2" (solid, pour order 249): 153.5,21.375 154.675,22.55 157.65,22.55 159.65,20.55 159.65,18.016 157.8,16.166 155.75,16.166 153.5,18.416
+3V3 on Top Layer "Top Layer-+3V3" (solid, pour order 248): 150.15,27.8 150.15,31.4 150.35,31.6 151.05,31.6 151.25,31.4 151.25,29.8 150.45,29 150.45,27.9 150.35,27.8
GND on Top Layer "Top Layer-GND 1" (solid, pour order 247): 149.85,27.1 149.85,31.4 149.65,31.6 149.05,31.6 148.85,31.4 148.85,29.6 149.55,28.9 149.55,27.1
GND on Top Layer "Top Layer-GND 3" (solid, pour order 246): 146.75,22.4 146.75,22.1 145.35,22.1 144.35,21.1 143.35,21.1 143.05,21.4 143.05,22.1 143.35,22.4
+3V3 on Top Layer "Top Layer-+3V3 1" (solid, pour order 245): 146.15,21.85 145.5,21.85 144.45,20.8 143.35,20.8 143.05,20.5 143.05,19.8 143.35,19.5 144.55,19.5 144.95,19.9 144.95,20.6 146.1,21.75 146.15,21.75
+3V3 on Top Layer "Top Layer-+3V3 2" (solid, pour order 244): 150.15,18.4 150.45,18.1 151.25,18.1 151.25,19.5 150.45,20.3 150.15,20.3
NetC12_1 on Top Layer "Top Layer-NetC13_1" (solid, pour order 243): 149.85,18.4 149.55,18.1 148.95,18.1 148.85,18.2 148.85,18.85 149.75,19.75 149.75,20.5 149.85,20.5
no net on Top Layer "Top Layer-No Net 2" (solid, pour order 242): 149.75,19.7
no net on Top Layer "Top Layer-No Net 3" (solid, pour order 241): 148.75,18.3
no net on Top Layer "Top Layer-No Net 4" (solid, pour order 240): 149.75,19.963
NetD3_A on Top Layer "Top Layer-NetF4_2" (solid, pour order 239): 14.25,32.3 23.5,32.3 23.5,29.55 14.25,29.55
VIN on Top Layer "Top Layer-VIN" (solid, pour order 238): 20.25,29.3 24.5,29.3 24.5,26.55 20.25,26.55
NetD1_2 on Top Layer "Top Layer-NetD1_2" (solid, pour order 237): 18.5,29.05 20,29.05 20,24.8 18.5,24.8
NetD3_K on Top Layer "Top Layer-NetD2_2" (solid, pour order 236): 18.5,16 20,16 20,12 19.75,11.75 18.5,11.75
VIN on Top Layer "Top Layer-VIN 1" (solid, pour order 235): 20.25,16.25 24.5,16.25 24.5,14.25 20.25,14.25
NetF4_2 on Top Layer "Top Layer-NetF5_2" (solid, pour order 234): 14.5,19.25 24.75,19.25 24.75,16.5 14.5,16.5
NetCBST1_1 on Top Layer "Top Layer-NetCBST1_1" (solid, pour order 233): 81.75,24.804 81.75,26.054 81.5,26.304 81.5,27.054 81.75,27.304 82.5,27.304 83,26.804 83,24.804
NetCO1_1 on Top Layer "Top Layer-NetCO1_1" (solid, pour order 232): 66.5,25.304 69.75,25.304 71.25,26.804 78,26.804 78.25,27.054 78.25,29.304 78,29.554 70.25,29.554 68.75,28.054 66.25,28.054 66,27.804 66,25.804
GND on Top Layer "Top Layer-GND 4" (solid, pour order 231): 71.75,21.75 77,21.75 77.75,22.5 77.75,24.355 78.25,24.855 78.25,26 78.25,26.25 71.75,26.25 71.25,25.75 71.25,22.25
NetCI1_1 on Top Layer "Top Layer-NetCI1_1" (solid, pour order 230): 80.3,23.25 79.25,23.25 77.25,21.25 71.75,21.25 71.25,20.75 71.25,18.5 80.3,18.5
SW1 on Top Layer "Top Layer-SW1" (solid, pour order 229): 66,19.75 70.5,19.75 70.5,23 69.25,23 69,22.75 66,22.75
SW1 on Top Layer "Top Layer-SW1 1" (solid, pour order 227): 79.5,26.25 80.75,26.25 81,26.5 81,27 80.5,27.5 79.5,27.5 79.25,27.25 79.25,26.5
GND on Top Layer "Top Layer-GND 5" (solid, pour order 226): 79,25 79.25,24.75 80.25,24.75 80.7,24.3 80.7,19.3 81,19 83,19 83.25,19.25 83.25,22.25 82.75,22.75 81.75,22.75 81.5,23 81.5,25.75 81,26.25 78,26.25 78,25
SW1 on Top Layer "Top Layer-SW1 2" (solid, pour order 225): 77.7,23.7 78,23.4 79,23.4 79.4,23.75 80,23.75 80,24.25 79.5,24.25 78.9,24.8 78,24.8 77.7,24.6
SW on Top Layer "Top Layer-SW" (solid, pour order 224): 49.85,22.1 49.85,22.75 49.75,22.85 49.45,22.85 49.35,22.95 49.35,23.75 49.15,23.95 47.95,23.95 46,25.75 46,27 45,28 41,28 39.75,26.75 39.75,22.5 41.5,21 48.75,21
NetC27_1 on Top Layer "Top Layer-NetC29_1" (solid, pour order 223): 50.2,22.8 50.9,22.8 50.9,20.15 50.5,19.75 50.5,18.75 51.5,17.75 51.5,13 39.75,13 39.75,17.25 41.5,19 47.5,19 50.1,21.6 50.1,22.7
GND on Top Layer "Top Layer-GND 6" (solid, pour order 222): 50.85,24.65 50.85,25.95 51.55,26.65 51.55,27.75 51.85,28.05 54.35,28.05 54.65,28.35 54.65,30.35 51.75,33.25 49.25,33.25 49.25,26.75 48.15,25.65 48.15,24.2 50.4,24.2
GND on Top Layer "Top Layer-GND 7" (solid, pour order 221): 51.25,23.85 54.35,23.85 54.75,23.45 54.75,21.35 54.35,20.95 53.65,20.95 53.25,20.5 53.25,19 54.225,18.025 56.5,18.025 56.5,13 51.75,13 51.75,19 51.75,19.75 51.55,19.95 51.55,22.85 51.25,23.15
GND on Top Layer "Top Layer-GND 8" (solid, pour order 220): 114.15,29.5 109.9,29.5 109.9,27.5 114.15,27.5
+3VOSC on Top Layer "Top Layer-+3VOSC" (solid, pour order 219): 114.15,27.25 110.9,27.25 110.9,26 114.15,26
GND on Top Layer "Top Layer-GND 9" (solid, pour order 218): 99.15,29.5 94.9,29.5 94.9,27.5 99.15,27.5
+3VOSC on Top Layer "Top Layer-+3VOSC 1" (solid, pour order 217): 99.15,27.25 95.9,27.25 95.9,26 99.15,26
+3VOSC on Top Layer "Top Layer-+3VOSC 2" (solid, pour order 216): 99.15,18.75 95.9,18.75 95.9,17.5 99.15,17.5
GND on Top Layer "Top Layer-GND 10" (solid, pour order 215): 99.15,21 94.9,21 94.9,19 99.15,19
GND on Top Layer "Top Layer-GND 18" (solid, pour order 205): 16.5,51 26.5,51 26.5,47.5 16.5,47.5
GND on Top Layer "Top Layer-GND" (solid, pour order 197): 11.25,42.25 11.25,39.75 11,39.5 9.25,39.5 9,39.75 9,42.25 9.25,42.5 11,42.5
no net on Top Layer "Top Layer-No Net" (solid, pour order 196): 11,42.75
+15V on Top Layer "Top Layer-+15V" (solid, pour order 188): 12,42.5 14.75,42.5 15.75,41.5 15.75,39 14.25,39 13.75,39.5 12,39.5 11.75,39.75 11.75,42.25
no net on Top Layer "Top Layer-No Net 1" (solid, pour order 187): 13.027,41.25
GND on Bottom Layer "Bottom Layer-GND 2" (solid, pour order 377): 86,32.75 86,8 32,8 32,32.75
no net on Bottom Layer "Bottom Layer-No Net 1" (solid, pour order 373): 368.75,25.25 259.75,25.25 259.75,4.25 368.75,4.25
+15VOUT on Bottom Layer "Bottom Layer-+15VOUT" (solid, pour order 363): 390.5,24.75 393,24.75 393.5,25.25 395.5,25.25 395.5,22 394.25,22 393,23.25 390.5,23.25
no net on Bottom Layer "Bottom Layer-No Net" (solid, pour order 367): 391,24.75
GND on Bottom Layer "Bottom Layer-GND 1" (solid, pour order 365): 400,34 400,11.75 388.75,11.75 388.75,34
GND on Bottom Layer "Bottom Layer-GND" (solid, pour order 341): 40,68.75 40,53.5 53.75,53.5 53.75,68.75

## Other copper
Top Layer:
  drawing of 458 lines, arcs and shapes, not listed
Bottom Layer:
  drawing of 931 lines, arcs and shapes, not listed

## Silkscreen, mask and mechanical layers (free items; w line width, h text height)
Top Overlay:
  region: 228,32.75 228,11.25 228.5,11.25 228.5,32.75
  region: 199.75,34 199.75,11.25 200.25,11.25 200.25,34
  region: 117.5,34 117.5,11.25 118,11.25 118,34
  region: 368.75,34 368.75,9 369.25,9 369.25,34
  region: 256.25,34 256.25,11.25 256.75,11.25 256.75,34
  region: 167,34 167,11.25 167.5,11.25 167.5,34
  region: 132.25,34 132.25,11.25 132.75,11.25 132.75,34
  region: 86.25,34 86.25,11.25 86.75,11.25 86.75,34
  region: 61.25,34 61.25,11.25 61.75,11.25 61.75,34
  region: 29.25,34 29.25,11.25 29.75,11.25 29.75,34
  text "GND" at 144.5,38 h2 r90
  text "+3V3" at 147,38 h2 r90
  text "MISO" at 149.5,38 h2 r90
  text "SCK" at 152,38 h2 r90
  text "MOSI" at 154.5,38 h2 r90
  text "1+2+4" at 170.75,30 h2.8
  text "=" at 178.25,30 h3
  text "0" at 181.75,30 h2.8
  text "1" at 183.25,30 h2.8
  text "2" at 184.75,30 h2.8
  text "3" at 186.25,30 h2.8
  text "4" at 187.75,30 h2.8
  text "5" at 189.25,30 h2.8
  text "6" at 190.75,30 h2.8
  text "7" at 192.25,30 h2.8
  text "POWER SELECT" at 11,6 h2.8
  text "BOOST CONVERTER" at 37,6 h2.8
  text "BUCK CONVERTER" at 65.75,6 h2.8
  text "OSCILLATORS" at 96,6 h2.8
  text "COMPARATOR / REFERENCE" at 119,6 h2.8
  text "MICROCONTROLLER" at 141,6 h2.8
  text "3 TO 8 DECODER" at 177,6 h2.8
  text "GPIO EXPANDERS" at 206.5,6 h2.8
  text "BUFFER" at 238,6 h2.8
  text "I2C TO DIFF-I2C" at 375.25,6 h2.8
  text "VIN:" at 11,4 h2.8
  text "5V ~12V" at 15.25,4 h2.8
  text "TPS55340 — 15V" at 37,4 h2.8
  text "TPS54308 — 3V3" at 65.75,4 h2.8
  text "TLV171" at 96,4 h2.8
  text "0V < V REF < 2V" at 119,4 h2.8
  text "ATSAMD21G18" at 141,4 h2.8
  text "74HC138" at 177,4 h2.8
  text "MCP23008" at 206.5,4 h2.8
  text "74HC7541" at 238,4 h2.8
  text "PCA9615" at 375.25,4 h2.8
Bottom Overlay:
  text "LINOBYTE" at 301.5,16.25 h13
  text "A CORE ROPE ROM BASED EXPERIMENT" at 301.5,13.5 h3.2
  text "2018" at 288.5,11 h3.2
  text "WESLEY LEE" at 301.5,11 h3.2
Top Solder:
  text "WES.AM" at 291.25,16.25 h13
  text "LINOBYTE" at 326.5,16.25 h13
  text "/" at 323.15,16.05 h13
  text "A CORE ROPE ROM BASED EXPERIMENT" at 326.5,13.5 h3.2
  text "WESLEY LEE" at 326.5,10.75 h3.2
  text "2018" at 339.25,10.75 h3.2
Bottom Solder:
  text "/" at 304.75,16.25 h13
  text "WES.AM" at 337,16.25 h13
Mechanical 1:
  lines w0.15: 0,25.75 ccw(c0,25.75) 0,25.75 ; 0,25.75 0,20.5 ccw(c1,20.5) 0.293,19.793 1.207,18.707 cw(c0.5,18) 1.5,18 1.5,12 cw(c0.5,12) 1.207,11.293 0.293,10.207 ccw(c1,9.5) 0,9.5 0,4 ccw(c4,4) 4,0 9.75,0 396,0 ccw(c396,4) 400,4 400,66 ccw(c396,66) 396,70 389.75,70 9.5,70 4,70 ccw(c4,66) 0,66 0,58.75 0,52.5 0,25.75
Mechanical 28:
  lines w0.15: 18.75,25.5 18.75,24.75 19.5,24.75 ; 21.75,26.25 22.5,26.25 22.5,26
  text "MM3Z3V3" at 19,25 h1.5
Mechanical 30 - Graphics on Silkscreen:
  lines w0.05: -4.75,33 402.75,33 ; -3.5,3 404,3 ; -3.5,24 404,24